# KiCad board MiniCamel_V1.00.kicad_pcb (continued)
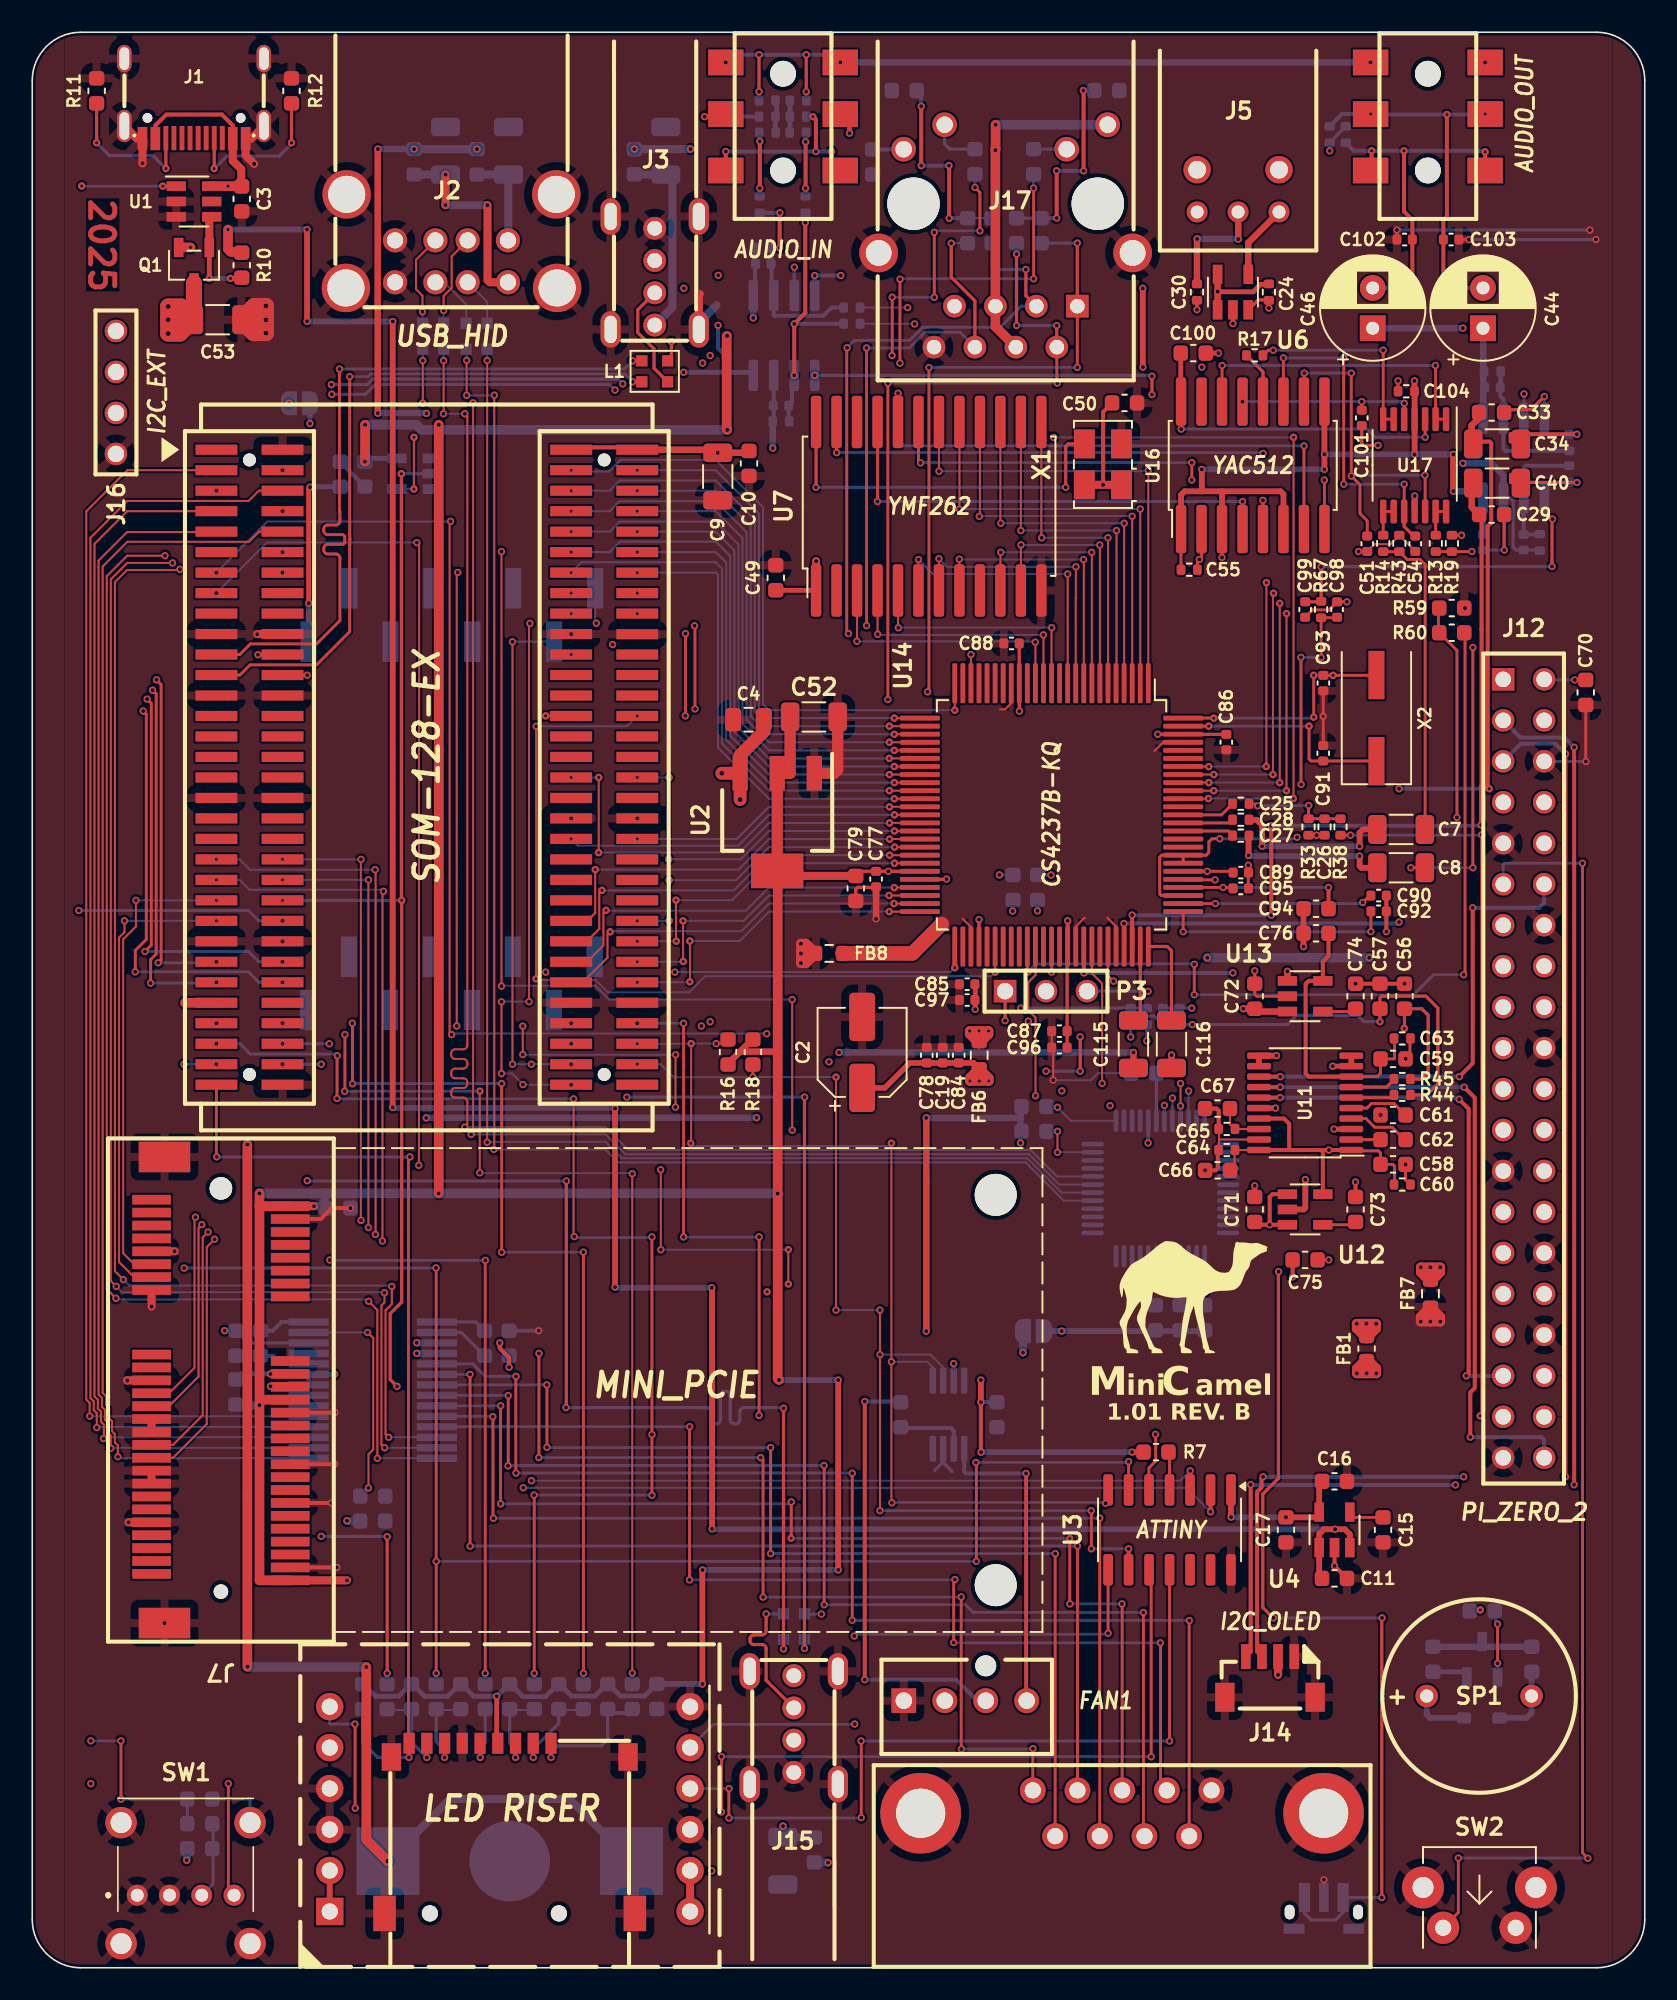
[diagram p0: board, top side]
## Routing (per net, layer and track width the routed paths; a pad name or vN(x,y) marks a point on that pad's centre or on a via; arc(x,y) is an arc through that point) (continued)
Net-(C111-Pad1): length 2
  Bottom w0.3: R76.2 R75.2 46.99,113.79 47,113.78
Net-(C111-Pad2): length 4
  Top w0.25: v1(47.96,113.21) v1(47.96,110.33)
  Bottom w0.25: 47.96,113.78 v1(47.96,113.21) ; 47.97,109.8 47.96,109.81 v1(47.96,110.33)
Net-(C112-Pad1): length 72.9
  Top w0.4: v1(68.29,56.75) C115.1
  In2.Cu w0.4: v1(50.03,56.75) 50.03,92.37 49.47,92.93 46.9,92.93 46.5,93.33 46.5,95.8 44.71,97.59 v1(44.71,102.29)
  Bottom w0.25: U18.1 44.83,103.79 R85.2
  Bottom w0.4: U18.1 44.71,103.67 v1(44.71,102.29) ; v1(50.03,56.75) v1(68.29,56.75)
Net-(C113-Pad2): length 67.7
  Top w0.4: v1(70.65,56.59) C116.1
  In1.Cu w0.4: v1(70.65,56.59) 70.23,56.17 v1(49.41,56.17)
  In2.Cu w0.4: v1(45.92,94.22) 45.92,93.16 46.68,92.4 49.19,92.4 49.41,92.18 v1(49.41,56.17)
  Bottom w0.25: R86.2 45.98,95.93 U18.7
  Bottom w0.4: v1(45.92,94.22) R86.2
Net-(D4-A): length 4.6
  Bottom w0.36: D4.2 92.66,15.49 92.98,15.81 SP1.2 92.98,18.29 92.99,18.3
Net-(J1-CC1): length 9.7
  Top w0.2: 11.28,111.54 11.29,111.54 J1.A5 ; v2(16.08,113.15) 16.08,115.54
  Bottom w0.2: 16.08,113.08 15.32,112.32 12.06,112.32 11.28,111.54
  vias: v2(11.28,111.55)
Net-(J1-CC2): length 9.2
  Top w0.2: J1.B5 8.29,111.55 v2(8.29,111.55) ; v2(3.99,113.15) 3.99,115.54
  Bottom w0.2: v2(3.99,113.15) 4.78,112.36 7.48,112.36 v2(8.29,111.55)
Net-(J2-VBUS1): length 12.4
  Top w0.5: J2.1 28.37,104.5 28.23,104.63 v1(28.23,109.28) ; v1(25.63,111.17) 25.63,109.28 v1(25.62,109.28)
  Bottom w0.127: 23.69,111.17 F2.2
  Bottom w0.5: v1(25.62,109.28) v1(28.23,109.28) ; v1(25.63,111.17) 23.69,111.17
Net-(J2-VBUS2): length 6
  Bottom w0.127: 29.53,107.13 J2.5
  Bottom w0.5: 29.53,107.13 C36.1 27.59,111.17 F4.2
Net-(J3-Pad2): length 6.7
  Top w0.2: J3.2 37.55,102.79 37.55,101.38 38.56,100.37 38.56,99.17 L1.1
Net-(J3-Pad3): length 6.7
  Top w0.2: v1(39.64,100.82) 39.64,99.86 L1.4
  In2.Cu w0.2: v1(39.64,100.82) 39.64,104.81 J3.3
Net-(J5-VIN): length 4.7
  Top w0.4: U6.4 75.41,106.95 J5.1
Net-(J7-~{W_DISABLE}): length 3.5
  Top w0.127: J7.20 v1(14.77,36.82)
  Bottom w0.3: v1(14.77,36.82) 12.93,36.82 12.63,36.52
Net-(J11-5V): length 16.7
  Top w0.127: 17.22,91.81 v1(17.23,91.8)
  Top w0.3: v1(17.23,91.8) 17.14,91.71 v1(17.14,84.6)
  In2.Cu w0.3: v1(17.22,95.74) 17.22,91.81
  Bottom w0.127: v1(17.14,84.6) 17.13,84.59 ; v1(17.23,91.8) 17.26,91.82
  Bottom w0.3: 17.13,84.59 J11.9 ; JP6.2 v1(17.22,95.74) ; 17.26,91.82 C68.1
Net-(J15-Pad2): length 9.2
  Top w0.2: J15.2 45.51,17.83 45.51,19.8 arc(45.44,19.97) 45.27,20.04 44.75,20.04 arc(44.58,20.11) 44.51,20.28 44.51,20.4 arc(44.58,20.57) 44.75,20.64 45.27,20.64 arc(45.44,20.71) 45.51,20.88 v1(45.51,21.94)
  Bottom w0.2: L2.1 46.58,21.94 v1(45.51,21.94)
Net-(J15-Pad3): length 9.6
  In2.Cu w0.2: v1(48.94,21.93) 48.94,15.82 J15.3
  Bottom w0.2: v1(48.94,21.93) 47.91,21.93 L2.4
Net-(J17-D2): length 2.1
  Bottom w0.2: R34.2 J17.10
Net-(J17-D4): length 3.2
  Bottom w0.2: J17.11 56.58,113.08 56.91,112.75 R31.2
Net-(Q1-G): length 5.9
  Top w0.127: 10.98,108.41 U1.4
  Top w0.3: 12.99,104.73 12.3,104.73 v2(12.29,104.74) ; v2(10.98,104.74) Q1.1
  Top w0.5: Q1.1 10.98,108.41
  Bottom w0.3: v2(12.29,104.74) v2(10.98,104.74)
Net-(Q4-B): length 4.1
  Top w0.18: v1(90.87,21.31) v1(90.87,18.88)
  Bottom w0.18: 90.74,22.12 90.74,21.43 v1(90.87,21.31) ; Q4.1 v1(90.87,18.88)
Net-(Q4-C): length 6.2
  Bottom w0.4: 92.99,19.95 92.94,19.9 C20.1
Net-(SW5-A): length 60.3
  Top w0.2: v1(77.29,43.16) 77.28,43.15 77.28,30.34 76.59,29.64 76.59,29.64 76.31,29.37 76.31,22.34 v1(76.96,21.69) ; v1(83.69,4.35) 83.69,21.67 v1(83.71,21.69)
  In1.Cu w0.2: v1(71.22,43.17) 77.28,43.17 v1(77.29,43.16)
  Bottom w0.2: U9.16 71.22,44.1 v1(71.22,43.17) ; v1(76.96,21.69) v1(83.71,21.69) ; SW5.1 78.9,3.38 79.32,2.96 80.82,2.96 81.3,3.44 SW5.1 83.69,4.35 v1(83.69,4.35)
Net-(U4-BYP): length 2.4
  Top w0.127: 81.71,27.92 U4.4
  Top w0.18: C15.1 81.71,27.92
Net-(U5-C1+): length 3.2
  Bottom w0.25: C12.1 14.91,39.49 15.46,40.04 U5.28
Net-(U5-C1-): length 3.2
  Bottom w0.25: 14.15,37.94 14.94,37.94 15.44,37.44 U5.24
Net-(U5-C2+): length 3.2
  Bottom w0.2: U5.1 27.5,40.04 C18.1
Net-(U5-C2-): length 3.6
  Bottom w0.2: U5.2 26.61,39.39 28.05,37.94
Net-(U5-V+): length 14.3
  Top w0.127: v1(20.8,39.39) 21.15,39.04 21.15,32.13 20.85,31.84 v1(20.85,29.75)
  Bottom w0.127: v1(20.85,29.75) C13.1 ; v1(20.8,39.39) U5.27
Net-(U5-V-): length 8.9
  Top w0.25: v1(29.57,37.24) 29.57,37.83 28.99,38.41 v1(28.99,38.74)
  In1.Cu w0.25: v1(28.99,38.74) 23.85,38.74 v1(23.84,38.75)
  Bottom w0.127: 23.85,38.74 v1(23.84,38.75) ; v1(29.57,37.24) 29.57,37.94
  Bottom w0.36: U5.3 23.85,38.74
Net-(U9-VDD33): length 3
  Bottom w0.2: C39.2 69.71,55.45 U9.42
Net-(U10-TACH): length 4.5
  Bottom w0.25: U10.6 57.14,33.28 56.97,33.46 53.85,33.46
Net-(U11-CAPM): length 3.9
  Top w0.18: U11.4 82.71,52.65 83.25,52.11 84.34,52.11 85.11,51.34
Net-(U11-CAPP): length 1.8
  Top w0.127: 83.55,51.35 83.56,51.34
  Top w0.18: U11.2 83.55,51.35
Net-(U11-LDOO): length 2.9
  Top w0.127: U11.18 74.58,52 74.56,51.98 ; 74.56,52.01 74.28,52.29 C67.2
Net-(U11-OUTL): length 2.8
  Top w0.18: U11.6 84.31,53.95 84.48,54.12
Net-(U11-OUTR): length 2.9
  Top w0.18: 84.48,55.1 83.98,54.6 U11.7
Net-(U11-VNEG): length 3.8
  Top w0.18: C61.2 84.45,53.58 83.05,53.58 82.77,53.3 U11.5
Net-(U12-BYP): length 2.1
  Top w0.18: C73.1 81.89,46.06 80.04,46.06
Net-(U13-BYP): length 2.1
  Top w0.18: 80.04,59.28 81.89,59.28 C74.1
Net-(U14-LFILT): length 11.9
  Top w0.18: U14.77 v1(73.36,65.98) 73.39,65.98 ; v1(82.51,66.05) 82.94,66.47 C90.2
  Bottom w0.18: v1(82.51,66.05) 82.44,65.98 v1(73.36,65.98)
Net-(U14-LLINE): length 3.2
  Top w0.18: U14.87 74.27,70.98 74.47,71.18
Net-(U14-LMIC): length 29.7
  Top w0.18: v1(78.68,81.24) 78.68,73.38 v1(78.69,73.37) ; U14.83 72.8,68.98 72.97,69.15 72.97,69.8 73.17,70 v1(73.64,70) ; U14.83 70.04,68.98 69.92,68.86 69.92,66.58 70.02,66.48 U14.78 ; U14.83 U14.82 ; C98.2 80.89,83.7 R67.2 v1(79.93,81.24)
  In2.Cu w0.18: v1(78.44,70.09) 78.69,70.34 v1(78.69,73.37)
  Bottom w0.18: v1(78.44,70.09) 78.35,70 v1(73.64,70) ; v1(79.93,81.24) v1(78.68,81.24)
Net-(U14-MIN): length 3.4
  Top w0.18: U14.88 73.75,71.48 C25.1 74.47,72.17
Net-(U14-REFFLT): length 11
  Top w0.18: U14.79 74.41,66.98 C95.1
  Top w0.25: v1(80.39,66.98) C94.1
  Bottom w0.18: v1(80.39,66.98) v1(73.85,66.98)
Net-(U14-RFILT): length 14.1
  Top w0.18: v1(83.02,64.24) C92.2 ; v1(71.38,64.23) U14.76
  Bottom w0.18: v1(71.38,64.23) 83.01,64.23 v1(83.02,64.24)
Net-(U14-RLINE): length 3.2
  Top w0.18: U14.86 74.18,70.48 74.47,70.19
Net-(U14-XTALI): length 15.2
  Top w0.18: X2.2 83.34,80.13 v2(80.67,80.13) C93.2 ; U14.100 73.27,77.48 v2(73.27,77.48) ; v2(79.47,77.54) v2(79.47,80.13)
  Bottom w0.18: v2(79.47,80.13) v2(80.67,80.13) ; v2(79.47,77.54) 79.41,77.48 v2(73.27,77.48)
Net-(U14-XTALO): length 14.1
  Top w0.18: X2.1 83.35,74.82 C91.2 79.3,74.82 79.18,74.94 v2(79.18,76.98) ; U14.99 v2(72.96,76.98)
  Bottom w0.18: v2(72.96,76.98) v2(79.18,76.98)
Net-(U15A--): length 9
  Bottom w0.18: 91.06,98 C42.1
  Bottom w0.25: C42.1 91.04,97.44 91.23,97.24 U15.2
  Bottom w0.254: R61.1 91.37,94.05 91.23,94.18 U15.2
  Bottom w0.3: R63.2 91.06,98
Net-(U15B--): length 8
  Bottom w0.25: R62.1 92.63,93.13 92.51,93 92.51,91.11 ; R64.2 93.47,88.86 C43.1 92.49,91.1
  Bottom w0.4: 92.49,91.1 92.51,91.11
Net-(U16-AOUT): length 11.6
  Top w0.18: v1(85.09,97) 85.09,96.02 ; C101.1 v1(82.45,97.1)
  Top w0.36: 85.09,96.02 U17.5
  Bottom w0.18: v1(75.06,97.1) v1(82.45,97.1) 84.99,97.1 v1(85.09,97)
Net-(U16-CV): length 21.2
  Top w0.127: 71.22,97.12 71.25,97.1
  Top w0.18: U17.3 v1(86.38,94.89) ; v1(71.25,95.4) 71.25,97.09
  Top w0.3: C100.2 71.22,97.12
  Top w0.36: 71.25,97.09 71.25,97.1
  Bottom w0.18: v1(71.25,95.4) 82.79,95.4 83.3,94.89 v1(86.38,94.89)
Net-(U16-DIN): length 29.3
  Top w0.18: v1(52.41,90.91) 52.42,90.92 U7.21 ; U16.4 75.06,90.9 v1(75.06,90.91)
  Bottom w0.18: v1(75.06,90.91) v1(52.41,90.91)
Net-(U16-MP): length 19.5
  Top w0.18: v1(87.02,99.34) 87.03,99.33 U17.2 U17.1 ; U16.14 73.78,99.33 v1(73.79,99.34)
  Bottom w0.18: v1(73.79,99.34) v1(87.02,99.34)
Net-(U16-SMP1): length 31.8
  Top w0.18: U7.19 54.96,93.33 54.99,93.3 v1(55.09,93.3) ; v1(71.91,93.32) v1(71.91,92.24) ; v1(80.13,92.24) 80.14,92.23 U16.8
  In1.Cu w0.18: v1(80.13,92.24) v1(71.91,92.24)
  Bottom w0.18: v1(71.91,93.32) 55.11,93.32 v1(55.09,93.3)
Net-(U16-SMP2): length 35.2
  Top w0.18: U16.7 78.86,94.35 v1(78.87,94.36) ; v1(53.69,97.62) U7.20
  Bottom w0.18: v1(53.69,97.62) 53.69,94.75 54.08,94.36 v1(78.87,94.36)
Net-(U16-SWIN): length 3.3
  Top w0.2: U16.12 76.33,98.94 R17.2
  Top w0.4: 76.31,97.11 U16.12
Net-(U17B--): length 12.5
  Top w0.18: v1(83.78,100.29) U17.7 U17.6 ; v1(76.96,100.29) 76.64,100.29 R17.1
  Bottom w0.18: v1(83.78,100.29) v1(76.96,100.29)
Net-(U17C--): length 2.1
  Top w0.18: R14.2 U17.8 U17.9
Net-(U17D--): length 2.1
  Top w0.18: R13.2 87.03,88.83 U17.13 U17.14
Net-(U18A--): length 12.7
  Top w0.25: v1(46.35,106.63) 46.35,108.8 v1(46.36,108.81)
  Bottom w0.25: v1(46.36,108.81) R80.2 ; v1(46.35,106.63) R85.1 45.85,103.81 U18.2 45.98,102.47 46.03,102.43 49.07,102.43 49.57,102.93 R79.2
Net-(U18B--): length 16.5
  Top w0.25: v1(47.25,98.73) v1(47.25,101.92) 47.94,102.6 v1(47.94,108.2)
  Bottom w0.127: v1(47.94,108.2) 47.95,108.21 R84.2 ; 46.91,95.9 R86.1
  Bottom w0.2: v1(47.25,101.92) 47.27,101.93 ; 50.31,101.92 R83.2
  Bottom w0.25: 46.87,96.82 47.11,97.06 47.11,98.58 v1(47.25,98.73) ; 47.27,101.93 R83.2 ; C113.1 46.91,95.9

## Copper pours and planes (outline as drawn; the poured copper is in the pictures)
+5VFILT on In2.Cu: 55.97,78.73 55.96,64.23 56.81,64.23 56.8,57.57 60.56,57.57 60.55,62.83 69.61,62.83 69.61,64.23 70.46,64.23 70.46,65.08 71.86,65.08 71.86,77.88 70.46,77.88 70.46,78.73
AGND on In1.Cu: 87.83,41.8 65.92,41.77 65.99,69.94 77.82,69.96 77.78,84.92 73.33,84.92 73.33,85.98 69.62,85.98 69.62,83.5 45.32,83.51 45.33,101.74 70.5,101.62 70.49,109.88 79.63,109.88 79.63,120 96.14,119.98 96.22,87.31 88.04,87.3 87.97,41.8
GND on Top, Bottom: -0.09,-0.05 2,-0.05 1.99,120.06 -0.1,120.08
GND on Top, Bottom: 98,-0.06 100.09,-0.06 100.08,120.05 97.99,120.07
GND on Top, Bottom, In1.Cu: -0.1,120.08 -0.09,-0.05 100.09,-0.06 100.08,120.05
SGND on Top: 55.98,64.23 70.46,64.23 70.46,78.73 55.96,78.73
VCC on In2.Cu: 2,120 2,-0.05 98,-0.06 97.99,120.07

## Text on the board
B.Silkscreen: Based on: / TinyLlama x86 SBC v2.1 / by: Eivind Bøhler
Top: 2025
F.Silkscreen: 1.01 REV. B | ini   amel | M | C
